# KiCad board CanardBoard.kicad_pcb
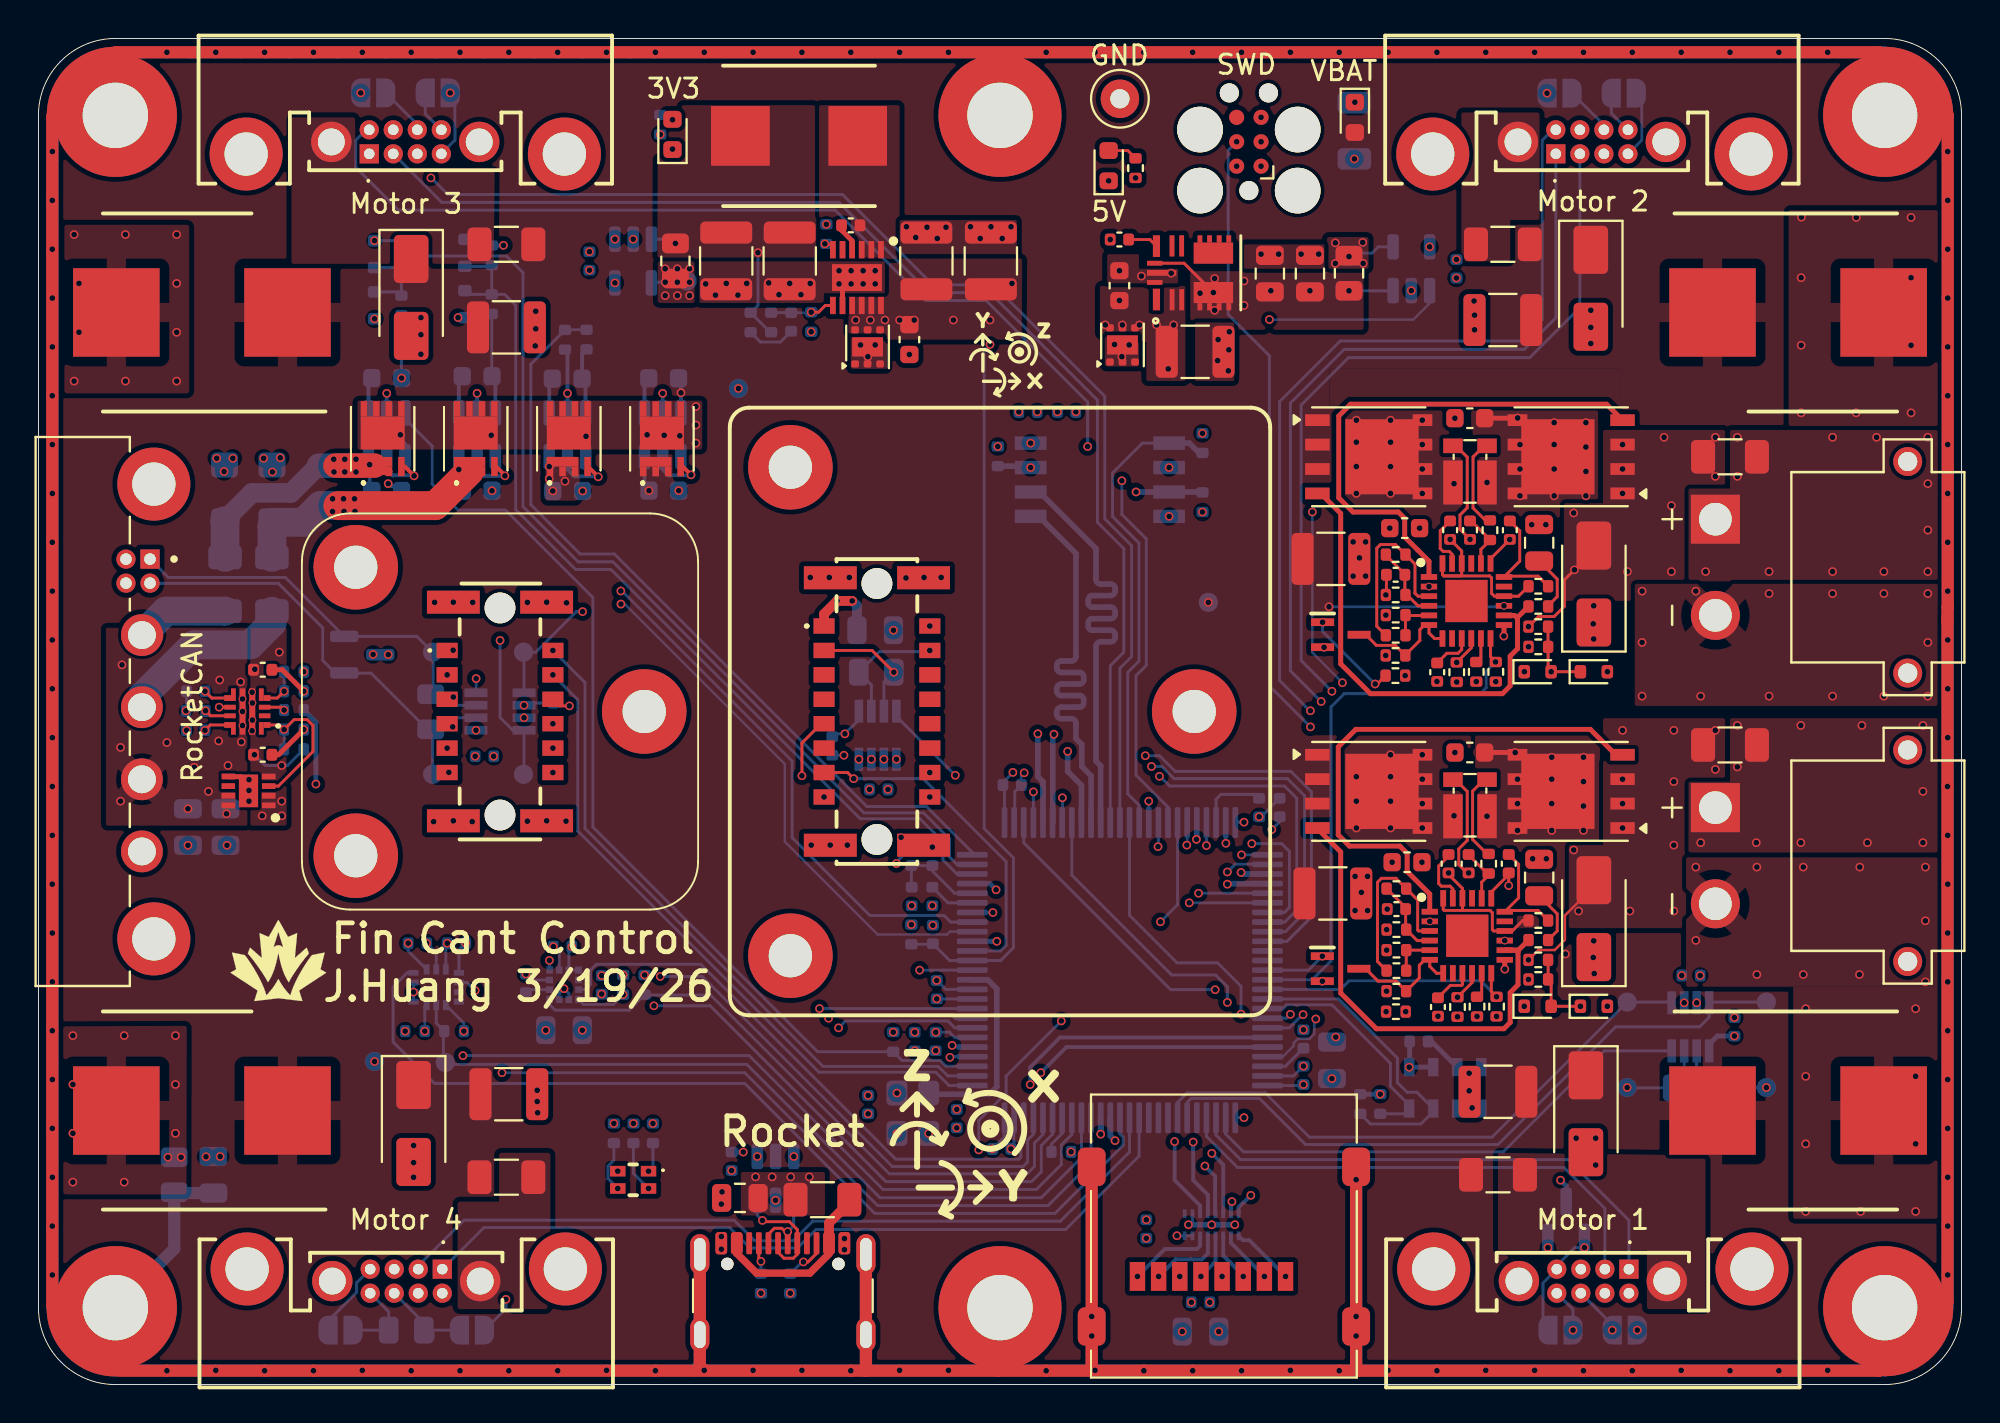
[diagram p0: board, top side]
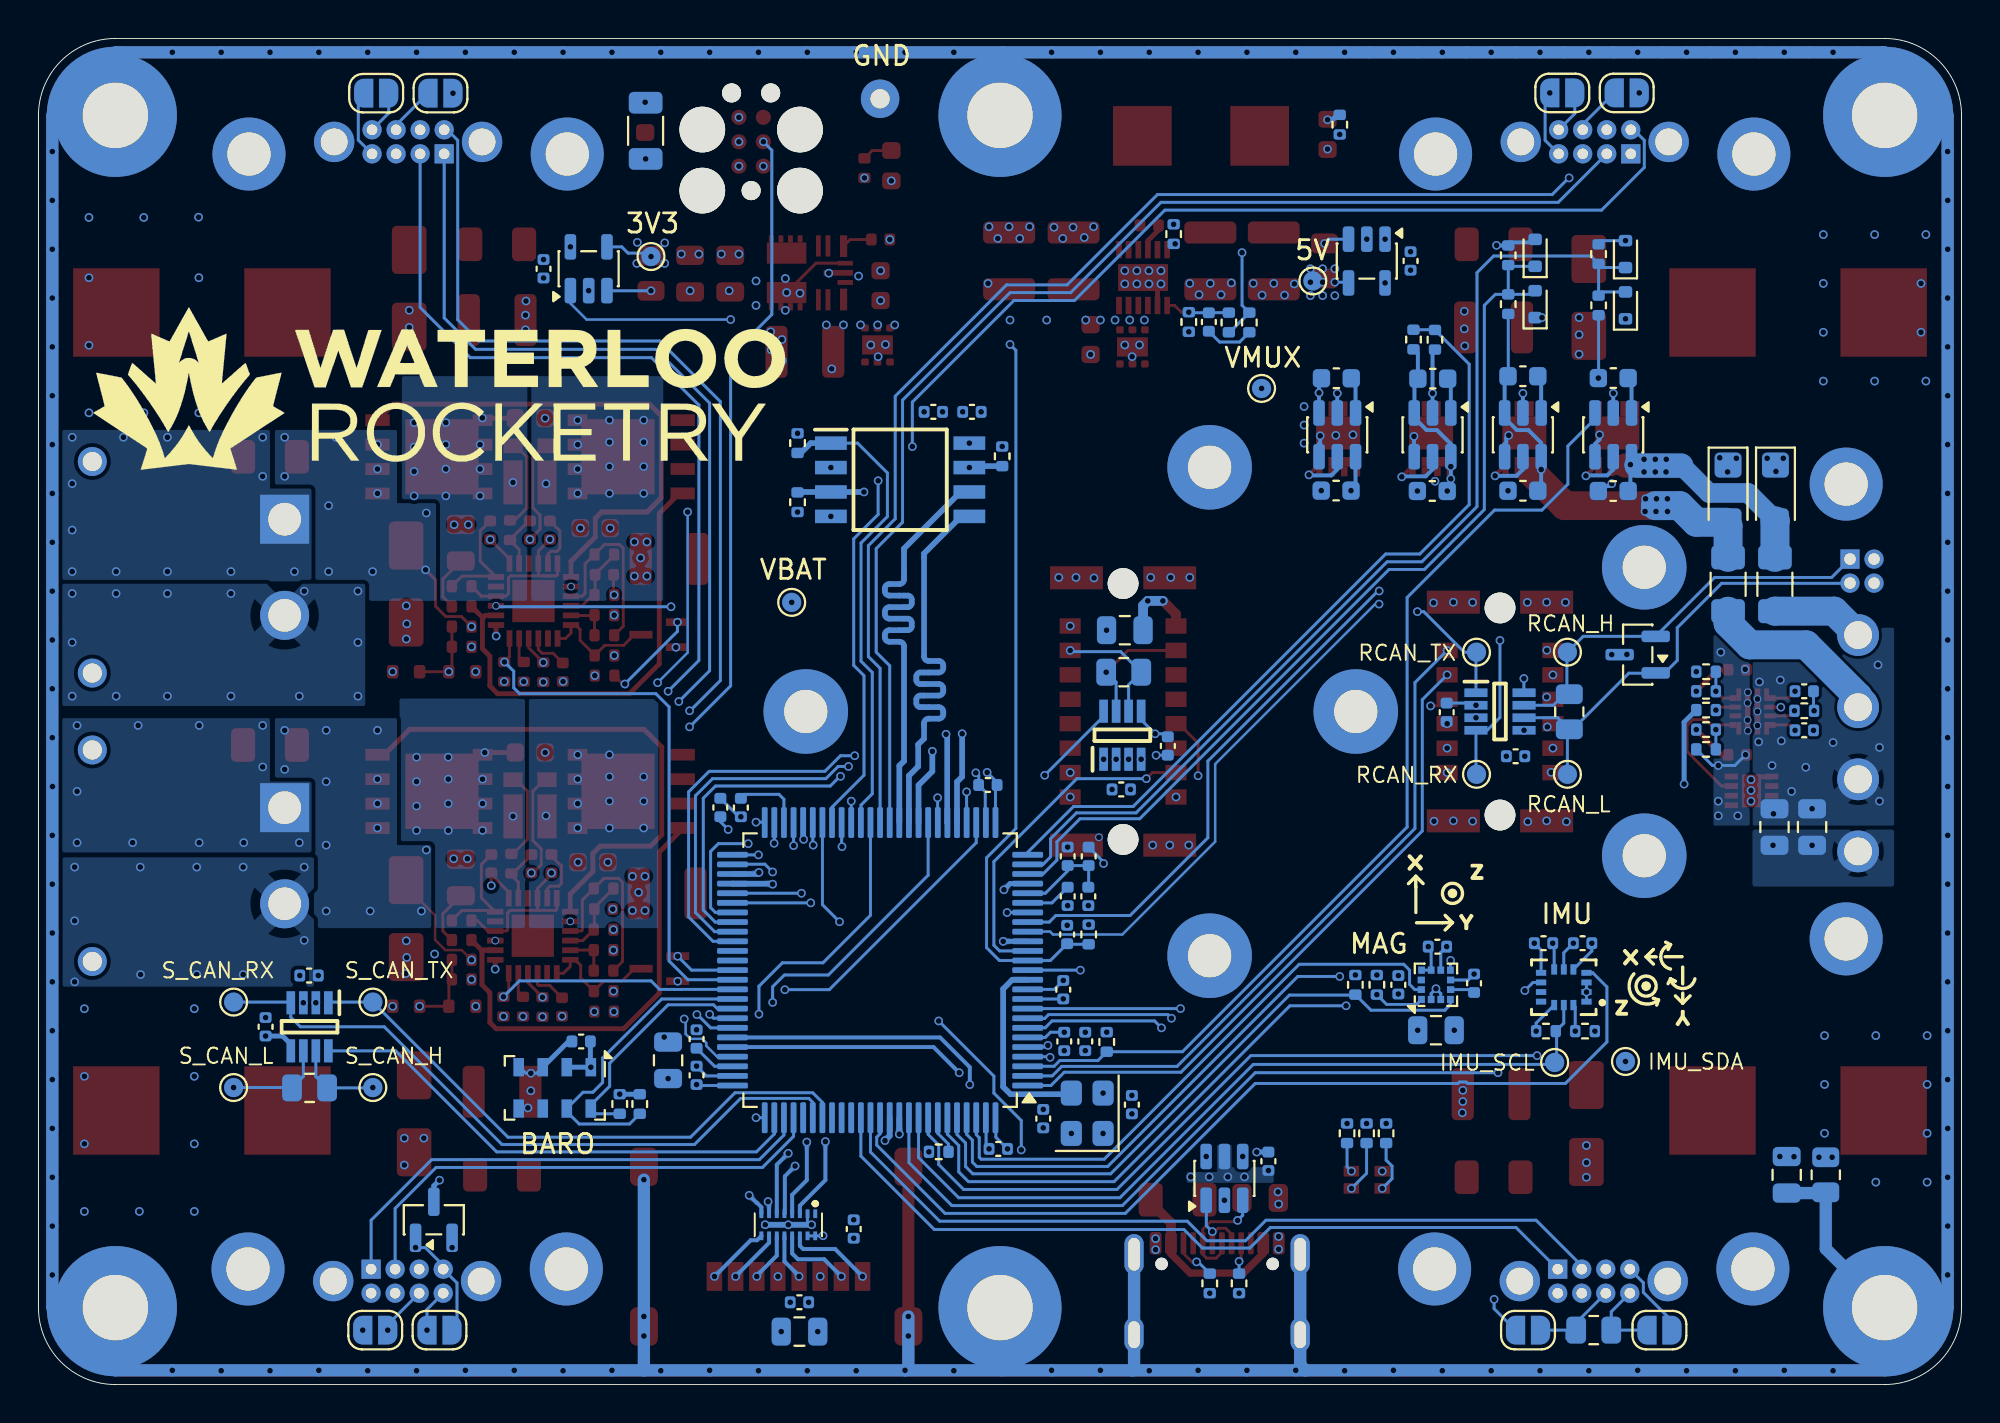
[diagram p1: board, bottom side, seen from below]

Outline 100 x 70 mm; copper layers: Top, In1.Cu, In2.Cu, In3.Cu, In4.Cu, Bottom. Coordinates in mm from the lower left corner of the outline.
Outline path: 0,66 arc(1.17,68.83) 4,70 96,70 arc(98.83,68.83) 100,66 100,4 arc(98.83,1.17) 96,0 4,0 arc(1.17,1.17) 0,4 0,66
Stack: Top 0.035mm / dielectric 0.203mm FR4 er 4.5 / In1.Cu 0.03mm / dielectric 0.25mm FR4 er 4.5 / In2.Cu 0.03mm / dielectric 0.513mm FR4 er 4.5 / In3.Cu 0.03mm / dielectric 0.25mm FR4 er 4.5 / In4.Cu 0.03mm / dielectric 0.203mm FR4 er 4.5 / Bottom 0.035mm

## Placement (name value [footprint] x y rotation side)
C1  0.1uF  [C_0402_1005Metric]  46.51 23.4 90 bottom
C2  2.2uF  [C_0402_1005Metric]  63.47 30.01 90 bottom
C3  1uF  [C_0402_1005Metric]  46.48 25.39 270 bottom
C4  2.2uF  [C_0402_1005Metric]  65.78 17.97 270 bottom
C5  1uF  [C_0402_1005Metric]  45.57 17.84 270 bottom
C6  0.1uF  [C_0402_1005Metric]  46.66 17.84 270 bottom
C7  0.1uF  [C_0402_1005Metric]  46.71 20.53 270 bottom
C8  0.1uF  [C_0402_1005Metric]  50.63 31.18 180 bottom
C9  0.1uF  [C_0402_1005Metric]  64.54 30.01 90 bottom
C10  0.1uF  [C_0402_1005Metric]  65.78 16.08 90 bottom
C11  0.1uF  [C_0402_1005Metric]  50.09 12.25 0 bottom
C12  22uF  [C_0805_2012Metric]  67.26 16.86 90 bottom
C13  1uF  [C_0402_1005Metric]  45.41 25.39 270 bottom
C14  0.1uF  [C_0402_1005Metric]  46.48 27.47 90 bottom
C15  10nF  [C_0402_1005Metric]  43.14 14.56 90 bottom
C16  0.1uF  [C_0402_1005Metric]  71.78 17.84 0 bottom
C17  22uF  [C_0805_2012Metric]  60.43 2.75 180 bottom
C18  0.1uF  [C_0402_1005Metric]  60.43 4.28 180 bottom
C19  0.1uF  [C_0603_1608Metric]  71.04 44.54 180 top
C20  0.1uF  [C_0603_1608Metric]  71.17 27.16 180 top
C21  0.1uF  [C_0402_1005Metric]  70.57 42.11 180 top
C22  0.1uF  [C_0402_1005Metric]  70.61 24.72 180 top
C23  0.1uF  [C_0402_1005Metric]  73.41 44.43 90 top
C24  0.1uF  [C_0402_1005Metric]  73.33 27.08 90 top
C25  0.1uF  [C_0603_1608Metric]  74.43 50.25 180 top
C26  0.1uF  [C_0603_1608Metric]  74.43 32.87 180 top
C27  10nF  [C_0402_1005Metric]  74.44 44.43 270 top
C28  10nF  [C_0402_1005Metric]  76.51 44.43 270 top
C29  10nF  [C_0402_1005Metric]  74.37 27.08 270 top
C30  10nF  [C_0402_1005Metric]  76.45 27.08 270 top
C31  0.1uF  [C_0805_2012Metric]  78.04 43.77 90 top
C32  0.1uF  [C_0805_2012Metric]  78.04 26.37 90 top
C33  0.1uF  [C_0402_1005Metric]  72.73 37.04 270 top
C34  0.1uF  [C_0402_1005Metric]  72.77 19.63 270 top
C35  10uF  [C_1210_3225Metric]  67.21 42.94 0 top
C36  10uF  [C_1210_3225Metric]  67.31 25.54 0 top
C37  0.1uF  [C_0402_1005Metric]  88.19 18.6 90 bottom
C38  10uF  [C_1210_3225Metric]  76.15 55.36 180 top
C39  220uF  [A786MW227M1HLAV011]  91.5 55.75 0 top
C40  0.1uF  [C_0402_1005Metric]  85.93 21.27 180 bottom
C41  10uF  [C_1210_3225Metric]  75.9 15.22 180 top
C42  220uF  [A786MW227M1HLAV011]  91.5 14.25 0 top
C43  10uF  [C_1210_3225Metric]  24.46 15.1 0 top
C44  220uF  [A786MW227M1HLAV011]  8.5 14.25 180 top
C45  10uF  [C_1210_3225Metric]  24.33 54.98 0 top
C46  220uF  [A786MW227M1HLAV011]  8.5 55.75 180 top
C47  22uF  [C_0805_2012Metric]  36.47 9.7 180 top
C48  0.1uF  [C_0402_1005Metric]  36.04 11.61 90 bottom
C49  2.2uF  [C_0402_1005Metric]  53.47 50.58 0 bottom
C50  0.1uF  [C_0402_1005Metric]  51.46 50.58 180 bottom
C51  0.1uF  [C_0603_1608Metric]  18.11 52.34 180 bottom
C52  0.1uF  [C_0603_1608Metric]  22.81 52.44 180 bottom
C53  0.1uF  [C_0603_1608Metric]  27.5 52.31 180 bottom
C54  0.1uF  [C_0603_1608Metric]  32.51 52.33 180 bottom
C55  0.1uF  [C_0402_1005Metric]  26.77 34.96 90 bottom
C56  22uF  [C_0805_2012Metric]  7.77 28.99 270 bottom
C57  0.1uF  [C_0402_1005Metric]  23.19 32.67 0 bottom
C58  10nF  [C_0402_1005Metric]  8.18 36.05 180 bottom
C59  10nF  [C_0402_1005Metric]  8.18 34.02 180 bottom
C60  0.1uF  [C_0402_1005Metric]  11.66 37.17 0 top
C61  0.1uF  [C_0402_1005Metric]  29.29 20.79 90 bottom
C62  0.1uF  [C_0402_1005Metric]  27.25 22.77 0 bottom
C63  22uF  [C_0805_2012Metric]  27.33 18.43 180 bottom
C64  220nF  [C_0402_1005Metric]  25.35 20.87 270 bottom
C65  22uF  [C_0805_2012Metric]  43.51 39.23 0 bottom
C66  0.1uF  [C_0402_1005Metric]  43.69 30.95 0 bottom
C67  0.1uF  [C_0402_1005Metric]  41.27 33.21 270 bottom
C68  10uF  [C_1210_3225Metric]  60.15 53.7 180 top
C69  10uF  [C_1210_3225Metric]  46.17 58.43 270 top
C70  0.1uF  [C_0603_1608Metric]  56.21 57.15 270 top
C71  0.1uF  [C_0603_1608Metric]  45.29 54.34 90 top
C72  1uF  [C_0402_1005Metric]  56.21 59.55 0 top
C73  0.1uF  [C_0402_1005Metric]  42.24 60.28 180 top
C74  22uF  [C_0805_2012Metric]  64.03 57.77 270 top
C75  33pF  [C_0402_1005Metric]  39.14 55.26 270 bottom
C76  22uF  [C_0805_2012Metric]  66.12 57.77 270 top
C77  47uF  [C_1210_3225Metric]  39.06 58.43 90 top
C78  47uF  [C_1210_3225Metric]  35.76 58.43 90 top
C79  10uF  [C_1210_3225Metric]  49.53 58.43 270 top
C81  0.1uF  [C_0402_1005Metric]  73.74 58.02 90 bottom
C82  0.1uF  [C_0402_1005Metric]  28.65 58.43 270 bottom
C83  0.1uF  [C_0402_1005Metric]  19.71 22.95 0 bottom
C84  0.1uF  [C_0402_1005Metric]  21.74 22.95 180 bottom
C85  0.1uF  [C_0603_1608Metric]  18.11 46.47 0 bottom
C86  0.1uF  [C_0603_1608Metric]  22.81 46.48 0 bottom
C87  0.1uF  [C_0603_1608Metric]  27.52 46.47 0 bottom
C88  0.1uF  [C_0603_1608Metric]  32.52 46.49 0 bottom
C89  22uF  [C_0805_2012Metric]  9.73 28.99 270 bottom
C90  0.1uF  [C_0805_2012Metric]  9.09 10.91 90 bottom
C91  1uF  [C_0402_1005Metric]  11.66 32.75 0 top
C92  0.1uF  [C_0402_1005Metric]  57.61 8.09 90 bottom
C93  0.1uF  [C_0402_1005Metric]  47.75 13.83 90 bottom
D1  LED_RGBA  [EAST1616RGBB2]  30.92 10.65 180 top
D2  SMAJ28CA  [D_SMA]  80.88 41.63 90 top
D3  SMAJ28CA  [D_SMA]  80.88 24.23 90 top
D4  RB520S30T1G  [D_SOD-523]  77.96 37.07 0 top
D5  RB520S30T1G  [D_SOD-523]  80.88 37.07 0 top
D6  RB520S30T1G  [D_SOD-523]  77.96 19.67 0 top
D7  RB520S30T1G  [D_SOD-523]  80.88 19.67 0 top
D8  SMAJ28A  [D_SMA]  80.72 57.01 270 top
D9  SMAJ28A  [D_SMA]  80.47 14.08 270 top
D10  ESDCAN01-2BLY  [SOT-23]  79.44 8.57 90 bottom
D11  SMAJ28A  [D_SMA]  19.51 13.57 270 top
D12  SMAJ28A  [D_SMA]  19.38 56.53 270 top
D13  RB520S30T1G  [D_SOD-523]  17.47 56.12 90 bottom
D14  RB520S30T1G  [D_SOD-523]  17.47 58.79 90 bottom
D15  RB520S30T1G  [D_SOD-523]  22.17 56.18 90 bottom
D16  RB520S30T1G  [D_SOD-523]  22.17 58.85 90 bottom
D17  ESDCAN01-2BLY  [SOT-23]  16.84 37.96 0 bottom
D18  SMF15CA  [D_SMF]  12.14 46.37 270 bottom
D19  SMF15CA  [D_SMF]  9.68 46.37 270 bottom
D20  RED  [LED_0603_1608Metric]  55.65 63.38 90 top
D21  RED  [LED_0603_1608Metric]  32.97 65.01 90 top
D22  RED  [LED_0603_1608Metric]  68.45 65.9 270 top
F1  20A  [Fuse_1206_3216Metric]  87.96 48.25 0 top
F2  20A  [Fuse_1206_3216Metric]  87.96 33.26 0 top
F3  10A  [Fuse_1206_3216Metric]  76.15 59.29 0 top
F4  10A  [Fuse_1206_3216Metric]  75.9 10.91 180 top
F5  10A  [Fuse_1206_3216Metric]  24.33 10.78 180 top
F6  10A  [Fuse_1206_3216Metric]  24.33 59.29 0 top
F7  1.5A  [Fuse_1206_3216Metric]  40.77 9.61 0 top
F8  1.5A  [Fuse_1206_3216Metric]  9.7 41.62 90 bottom
F9  5A  [Fuse_1206_3216Metric]  12.14 41.62 90 bottom
FB1  BLM15AG121SN1D  [C_0402_1005Metric]  45.39 27.47 90 bottom
G***  LOGO  [Logo_SilkScreen_5mm]  12.47 22.06 0 top
G***#2  LOGO  [Logo_Horizontal_Silkscreen_10mm]  79.17 51.8 180 bottom
H1  M3  [MountingHole_3.2mm_M3_Pad]  96 4 0 top
H2  M3  [MountingHole_3.2mm_M3_Pad]  4 4 0 top
H3  M3  [MountingHole_3.2mm_M3_Pad]  4 66 0 top
H4  M3  [MountingHole_3.2mm_M3_Pad]  96 66 0 top
H5  M3  [MountingHole_3.2mm_M3_Pad]  50 4 0 top
H6  M3  [MountingHole_3.2mm_M3_Pad]  50 66 0 top
J1  TagConnect_TC2030  [Tag-Connect_TC2030-IDC-FP_2x03_P1.27mm_Vertical]  62.94 64.63 90 top
J2  Micro_SD_Card  [microSD_HC_Molex_47219-2001]  61.64 7.72 180 top
J3  XT30PW-M  [AMASS_XT30PW-M]  97.2 42.5 270 top
J4  XT30PW-M  [AMASS_XT30PW-M]  97.2 27.5 270 top
J5  Motor 2  [G125MH10805M41AD1ADP]  78.9 64 0 top
J6  Motor 1  [G125MH10805M41AD1ADP]  82.7 6 180 top
J7  Motor 4  [G125MH10805M41AD1ADP]  21 6 180 top
J8  Motor 3  [G125MH10805M41AD1ADP]  17.2 64 0 top
J9  USB_C_Receptacle_USB2.0_16P  [USB_C_Receptacle_GCT_USB4105-xx-A_16P_TopMnt_Horizontal]  38.71 3.67 0 top
J10  G125-MH104M4-04AD000P  [connector_Harwin_G125-MH104M4-04AD000P]  2.3 35 270 top
J11  -  [Movella-1374028]  50 35 270 top
J12  -  [1374027]  24 35 270 top
JP1  SolderJumper_2_Open  [SolderJumper-2_P1.3mm_Open_RoundedPad1.0x1.5mm]  82.49 2.83 180 bottom
JP2  SolderJumper_2_Open  [SolderJumper-2_P1.3mm_Open_RoundedPad1.0x1.5mm]  79.15 2.83 0 bottom
JP3  SolderJumper_2_Open  [SolderJumper-2_P1.3mm_Open_RoundedPad1.0x1.5mm]  22.54 2.83 180 bottom
JP4  SolderJumper_2_Open  [SolderJumper-2_P1.3mm_Open_RoundedPad1.0x1.5mm]  15.71 2.83 0 bottom
JP5  SolderJumper_2_Open  [SolderJumper-2_P1.3mm_Open_RoundedPad1.0x1.5mm]  17.41 67.17 0 bottom
JP6  SolderJumper_2_Open  [SolderJumper-2_P1.3mm_Open_RoundedPad1.0x1.5mm]  20.76 67.17 180 bottom
JP7  SolderJumper_2_Open  [SolderJumper-2_P1.3mm_Open_RoundedPad1.0x1.5mm]  79.1 67.15 0 bottom
JP8  SolderJumper_2_Open  [SolderJumper-2_P1.3mm_Open_RoundedPad1.0x1.5mm]  82.44 67.15 180 bottom
L1  4.7uH  [SRP7050WA]  39.55 64.93 180 top
Q1  SIR626DP-T1-RE3  [PowerPAK_SO-8_Single]  79.7 48.25 180 top
Q2  SIR626DP-T1-RE3  [PowerPAK_SO-8_Single]  79.7 30.85 180 top
Q3  SIR626DP-T1-RE3  [PowerPAK_SO-8_Single]  69.17 48.25 0 top
Q4  SIR626DP-T1-RE3  [PowerPAK_SO-8_Single]  69.17 30.85 0 top
Q5  -  [2N7002W]  67.72 38.99 0 top
Q6  -  [2N7002W]  67.71 21.62 0 top
Q7  20N06D  [Infineon-PG-TSDSON-8]  17.9 49.19 0 top
Q8  20N06D  [Infineon-PG-TSDSON-8]  22.74 49.19 0 top
Q9  20N06D  [Infineon-PG-TSDSON-8]  27.58 49.19 0 top
Q10  20N06D  [Infineon-PG-TSDSON-8]  32.42 49.18 0 top
R1  10k  [R_0402_1005Metric]  45.39 23.41 270 bottom
R2  10k  [R_0402_1005Metric]  53.19 12.1 0 bottom
R3  330R  [R_0402_1005Metric]  31.95 13.07 90 bottom
R4  100R  [R_0402_1005Metric]  30.94 13.07 90 bottom
R5  100R  [R_0402_1005Metric]  29.92 13.07 90 bottom
R6  2.2k  [R_0402_1005Metric]  69.77 14.59 270 bottom
R7  2.2k  [R_0402_1005Metric]  68.73 14.59 270 bottom
R8  10k  [R_0402_1005Metric]  44.45 17.82 270 bottom
R9  5.1k  [R_1206_3216Metric]  68.43 65.2 270 bottom
R13  100k  [R_0402_1005Metric]  77.99 39.41 0 top
R14  10k  [R_0402_1005Metric]  77.99 38.36 180 top
R15  100k  [R_0402_1005Metric]  77.99 22.08 0 top
R16  10k  [R_0402_1005Metric]  77.99 21.07 180 top
R17  100k  [R_0402_1005Metric]  70.57 43.16 180 top
R18  3.16k  [R_0402_1005Metric]  70.57 41.06 180 top
R19  100k  [R_0402_1005Metric]  70.61 25.79 180 top
R20  3.16k  [R_0402_1005Metric]  70.61 23.66 180 top
R21  100k  [R_0402_1005Metric]  70.57 38.96 0 top
R22  2.2k  [R_0402_1005Metric]  70.57 40.01 180 top
R23  100k  [R_0402_1005Metric]  70.61 21.52 0 top
R24  2.2k  [R_0402_1005Metric]  70.61 22.59 180 top
R25  0R  [R_0402_1005Metric]  77.99 41.51 0 top
R26  0R  [R_0402_1005Metric]  77.99 24.13 0 top
R27  100R  [R_0402_1005Metric]  75.48 44.43 270 top
R28  100R  [R_0402_1005Metric]  75.41 27.08 270 top
R29  1mR  [R_Shunt_Vishay_WSKW0612]  74.44 47.48 90 top
R30  1mR  [R_Shunt_Vishay_WSKW0612]  74.44 30.12 90 top
R31  10R  [R_0402_1005Metric]  77.99 40.46 0 top
R32  10R  [R_0402_1005Metric]  77.99 23.11 0 top
R33  10k  [R_0402_1005Metric]  75.78 37.06 270 top
R34  10k  [R_0402_1005Metric]  75.82 19.65 270 top
R35  100k  [R_0402_1005Metric]  74.77 37.06 270 top
R36  100k  [R_0402_1005Metric]  74.81 19.65 270 top
R37  10k  [R_0402_1005Metric]  73.75 37.04 270 top
R38  10k  [R_0402_1005Metric]  73.79 19.63 270 top
R39  100k  [R_0402_1005Metric]  70.57 37.91 0 top
R40  100k  [R_0402_1005Metric]  70.61 20.46 0 top
R41  10k  [R_0402_1005Metric]  70.56 36.87 180 top
R42  10k  [R_0402_1005Metric]  70.59 19.39 180 top
R43  120R  [R_0805_2012Metric]  85.9 15.43 180 bottom
R44  120R  [R_0805_2012Metric]  19.13 2.83 180 bottom
R45  5.1k  [R_0402_1005Metric]  39.09 5.26 270 bottom
R46  5.1k  [R_0402_1005Metric]  37.57 5.26 270 bottom
R47  10k  [R_0402_1005Metric]  60.53 48.96 270 bottom
R48  10k  [R_0402_1005Metric]  60.53 45.88 90 bottom
R49  10k  [R_0402_1005Metric]  49.89 48.27 270 bottom
R50  100k  [R_0402_1005Metric]  18.87 56.12 90 bottom
R51  19.1k  [R_0402_1005Metric]  18.87 58.79 270 bottom
R52  100k  [R_0402_1005Metric]  23.57 56.18 90 bottom
R53  19.1k  [R_0402_1005Metric]  23.57 58.72 270 bottom
R54  100k  [R_0402_1005Metric]  28.5 54.34 90 bottom
R55  100k  [R_0402_1005Metric]  27.38 54.33 90 bottom
R56  100k  [R_0402_1005Metric]  13.28 37.07 180 bottom
R57  34k  [R_0402_1005Metric]  13.28 36.05 0 bottom
R58  681R  [R_0402_1005Metric]  8.18 35.04 180 bottom
R59  100k  [R_0402_1005Metric]  13.28 35.08 180 bottom
R60  120R  [R_0805_2012Metric]  20.4 34.99 90 bottom  (not fitted)
R61  100k  [R_0402_1005Metric]  13.28 33.03 180 bottom
R62  43.2k  [R_0402_1005Metric]  13.28 34.06 0 bottom
R63  1k  [R_0402_1005Metric]  31.52 20.79 90 bottom
R64  1k  [R_0402_1005Metric]  30.4 20.79 90 bottom
R65  120R  [R_0805_2012Metric]  43.57 37.04 0 bottom
R66  0R  [R_0402_1005Metric]  40.97 59.83 270 bottom  (not fitted)
R67  100k  [R_0402_1005Metric]  38.1 55.23 270 bottom
R68  19.1k  [R_0402_1005Metric]  40.18 55.26 90 bottom
R69  1k  [R_0402_1005Metric]  37.03 55.23 90 bottom
R70  5m  [R_0805_2012Metric]  68.15 57.79 270 top
R71  5m  [R_0805_2012Metric]  33.12 58.43 90 top
R72  330R  [R_0402_1005Metric]  57.05 63.26 90 top
R73  330R  [R_0402_1005Metric]  32.33 65.52 90 bottom
R74  1k  [R_0402_1005Metric]  19.58 18.38 0 bottom
R75  1k  [R_0402_1005Metric]  21.61 18.38 180 bottom
R76  1M  [R_0805_2012Metric]  7.06 10.91 90 bottom
REF**  LOGO  [Coordinate_System_Rkt]  48.25 11.65 0 top
REF**#2  LOGO  [Coordinate_System_Front]  50.34 53.02 0 top
REF**#3  LOGO  [Coordinate_System_No_Rot]  27.14 24.86 180 bottom
REF**#4  LOGO  [Coordinate_System_Front]  15.74 21.4 0 bottom
TP1  S_CAN_H  [TestPoint_Pad_D1.0mm]  82.61 15.44 270 bottom
TP2  S_CAN_L  [TestPoint_Pad_D1.0mm]  89.85 15.44 270 bottom
TP3  S_CAN_RX  [TestPoint_Pad_D1.0mm]  89.85 19.89 270 bottom
TP4  S_CAN_TX  [TestPoint_Pad_D1.0mm]  82.61 19.89 270 bottom
TP5  RCAN_H  [TestPoint_Pad_D1.0mm]  20.5 38.08 180 bottom
TP6  RCAN_L  [TestPoint_Pad_D1.0mm]  20.5 31.73 180 bottom
TP7  RCAN_RX  [TestPoint_Pad_D1.0mm]  25.22 31.73 180 bottom
TP8  RCAN_TX  [TestPoint_Pad_D1.0mm]  25.22 38.08 180 bottom
TP9  3V3  [TestPoint_Pad_D1.0mm]  68.15 58.66 180 bottom
TP10  5V  [TestPoint_Pad_D1.0mm]  33.73 57.39 180 bottom
TP11  VBAT  [TestPoint_Pad_D1.0mm]  60.83 40.68 180 bottom
TP12  VMUX  [TestPoint_Pad_D1.0mm]  36.4 51.8 180 bottom
TP13  GND  [TestPoint_Loop_D2.50mm_Drill1.0mm]  56.24 66.86 0 top
TP14  IMU_SCL  [TestPoint_Pad_D1.0mm]  21.16 16.75 180 bottom
TP15  IMU_SDA  [TestPoint_Pad_D1.0mm]  17.47 16.8 180 bottom
U1  STM32H733VGTx  [LQFP-100_14x14mm_P0.5mm]  56.24 21.55 0 bottom
U2  MS5611-01BA  [LGA-8_3x5mm_P1.25mm]  73.15 15.43 270 bottom
U3  TVS3300DRV  [WSON-6-1EP_2x2mm_P0.65mm_EP1x1.6mm]  56.37 54.06 90 top
U4  -  [LM749x0]  74.26 40.75 0 top
U5  -  [LM749x0]  74.3 23.34 0 top
U6  -  [TCAN3413DDFR]  85.9 18.6 270 bottom
U7  USBLC6-2SC6  [SOT-23-6]  38.33 10.72 90 bottom
U8  -  [MX25L25645GM2I-08G]  55.19 47.05 180 bottom
U9  LM74700  [SOT-23-6]  18.11 49.39 270 bottom
U10  LM74700  [SOT-23-6]  22.81 49.39 270 bottom
U11  LM74700  [SOT-23-6]  27.51 49.39 270 bottom
U12  LM74700  [SOT-23-6]  32.46 49.39 270 bottom
U13  -  [TCAN3413DDFR]  24 35 180 bottom
U14  TPS259472  [TPS25947xx]  10.86 35 180 top
U15  LSM303AGR  [LGA-12_2x2mm_P0.5mm]  27.33 20.79 90 bottom
U16  -  [TCAN3413DDFR]  43.64 33.77 90 bottom
U17  -  [LMR51460]  42.56 57.56 270 top
U18  TPSM33610S3QRDNRQ1  [TPSM33606S3QRDNRQ1]  60.1 57.81 90 top
U19  INA180A3  [SOT-23-5]  71.39 58.02 90 bottom
U20  INA180A3  [SOT-23-5]  30.93 58.42 270 bottom
U21  -  [LSM6DSV32XTR]  20.68 20.66 0 bottom
U22  EMIF06-MSD02N16  [EMIF06MSD02N16]  61.01 8.51 0 bottom
U23  TVS3300DRV  [WSON-6-1EP_2x2mm_P0.65mm_EP1x1.6mm]  43.11 53.96 90 top
U24  -  [TPS22975DSGR]  10.92 30.87 180 top  (not fitted)
X1  ASE-4.000MHZ-L-C-T  [Oscillator_SMD_Abracon_ASE-4Pin_3.2x2.5mm]  45.47 14.11 90 bottom

## Library data of the parts
C1 C6-C11 C14 C16 C18 C21-C24 C33 C34 C37 C40 C48 C50 C55 C57 C60-C62 C66 C67 C73 C81-C84 C92 C93 = -: Description: Unpolarized capacitor, small symbol; LCSC Part #: C85858; ki_fp_filters: C_*
C2 C4 C49 = -: Description: Unpolarized capacitor, small symbol; LCSC Part #: C77002; ki_fp_filters: C_*
C3 C5 C13 C72 C91 = -: Description: Unpolarized capacitor, small symbol; LCSC Part #: C77007; ki_fp_filters: C_*
C12 C17 C47 C56 C63 C65 C74 C76 C89 = -: Description: Unpolarized capacitor, small symbol; LCSC Part #: C86816; ki_fp_filters: C_*
C15 C27-C30 C58 C59 = -: Description: Unpolarized capacitor, small symbol; LCSC Part #: C91601; ki_fp_filters: C_*
C19 C20 C25 C26 C51-C54 C70 C71 C85-C88 = -: Description: Unpolarized capacitor, small symbol; LCSC Part #: C3011652; ki_fp_filters: C_*
C31 C32 C90 = -: Description: Unpolarized capacitor, small symbol; LCSC Part #: C882587; ki_fp_filters: C_*
C35 C36 C38 C41 C43 C45 C68 C69 C79 = -: Description: Unpolarized capacitor, small symbol; LCSC Part #: C77102; ki_fp_filters: C_*
C39 C42 C44 C46 = -: Description: Polarized capacitor, small US symbol; MPN: A786MW227M1HLAV011; ki_fp_filters: CP_*
C64 = -: Description: Unpolarized capacitor, small symbol; LCSC Part #: C126524; ki_fp_filters: C_*
C75 = -: Description: Unpolarized capacitor, small symbol; LCSC Part #: C126506; ki_fp_filters: C_*
C77 C78 = -: Description: Unpolarized capacitor, small symbol; LCSC Part #: C77101; ki_fp_filters: C_*
D1 = -: Description: RGB LED, red/green/blue/anode; LCSC Part #: C6606484; ki_fp_filters: LED* LED_SMD:* LED_THT:*
D2 D3 = -: Datasheet: https://www.littelfuse.com/media?resourcetype=datasheets&itemid=75e32973-b177-4ee3-a0ff-cedaf1abdb93&filename=smaj-datasheet; Description: 400W bidirectional Transient Voltage Suppressor, 28.0Vr, SMA(DO-214AC); LCSC Part #: C148228; ki_fp_filters: D*SMA*
D4-D7 D13-D16 = -: Datasheet: https://www.onsemi.com/pdf/datasheet/rb520s30t1-d.pdf; Description: Schottky diode; LCSC Part #: C154821; ki_fp_filters: TO-???* *_Diode_* *SingleDiode* D_*
D8 D9 D11 D12 = -: Datasheet: https://www.littelfuse.com/media?resourcetype=datasheets&itemid=75e32973-b177-4ee3-a0ff-cedaf1abdb93&filename=smaj-datasheet; Description: 400W unidirectional Transient Voltage Suppressor, 28.0Vr, SMA(DO-214AC); LCSC Part #: C148227; ki_fp_filters: D*SMA*
D10 D17 = -: Description: Dual Line CAN Bus Protector, 24Vrwm; LCSC Part #: C1976606; ki_fp_filters: SOT?23*
D18 D19 = -: Datasheet: https://www.littelfuse.com/assetdocs/tvs-diodes-smf-datasheet?assetguid=7eb8a5b6-bdd0-4561-8f19-0c3cc6f9b2af; Description: -65℃~+150℃ 15V、16V 18.5V 1uA 200W@10/1000us 24.4V 7.7A@10/1000us Bidirectional IEC 61000-4-2、IEC 61000-4-4 TVS SOD-123FL ESD and Surge Protection (TVS/ESD) ROHS; LCSC Part #: C1851361; ki_fp_filters: D*SMA*
D20-D22 = -: Description: Light emitting diode; Sim.Pins: 1=K 2=A; LCSC Part #: C2986060; ki_fp_filters: LED* LED_SMD:* LED_THT:*
F1 F2 = -: Description: Fuse, small symbol; LCSC Part #: C2838910; ki_fp_filters: *Fuse*
F3-F6 = -: Description: Fuse, small symbol; LCSC Part #: C41367232; ki_fp_filters: *Fuse*
F7 F8 = -: Description: Resettable fuse, polymeric positive temperature coefficient, small symbol; LCSC Part #: C883133; ki_fp_filters: *polyfuse* *PTC*
F9 = -: Description: Fuse, small symbol; LCSC Part #: C41367229; ki_fp_filters: *Fuse*
FB1 = -: Description: Ferrite bead, small symbol; LCSC Part #: C85812; ki_fp_filters: Inductor_* L_* *Ferrite*
H1-H6 = -: Description: Mounting Hole with connection; ki_fp_filters: MountingHole*Pad*
J1 = -: Datasheet: https://www.tag-connect.com/wp-content/uploads/bsk-pdf-manager/TC2030-CTX_1.pdf; Description: Tag-Connect ARM Cortex SWD JTAG connector, 6 pin; ki_fp_filters: *TC2030*
J2 = -: Datasheet: https://www.we-online.com/components/products/datasheet/693072010801.pdf; Description: Micro SD Card Socket; LCSC Part #: C164170; ki_fp_filters: microSD*